# Altium PCB MB1605.PcbDoc (part 8 of 11)
Units mm, origin at the board's own origin, x right, y up, seen from the top; angles counter-clockwise.
Board outline 100 x 79.6 mm, 6 copper layers (Top Layer, Signal Layer 1, Signal Layer 2, Signal Layer 3, Signal Layer 4, Bottom Layer), stack 1.549 mm thick; 644 components, 529 nets, 2853 pads, 1462 vias.
Unrouted connection lines stored in the file: 2.
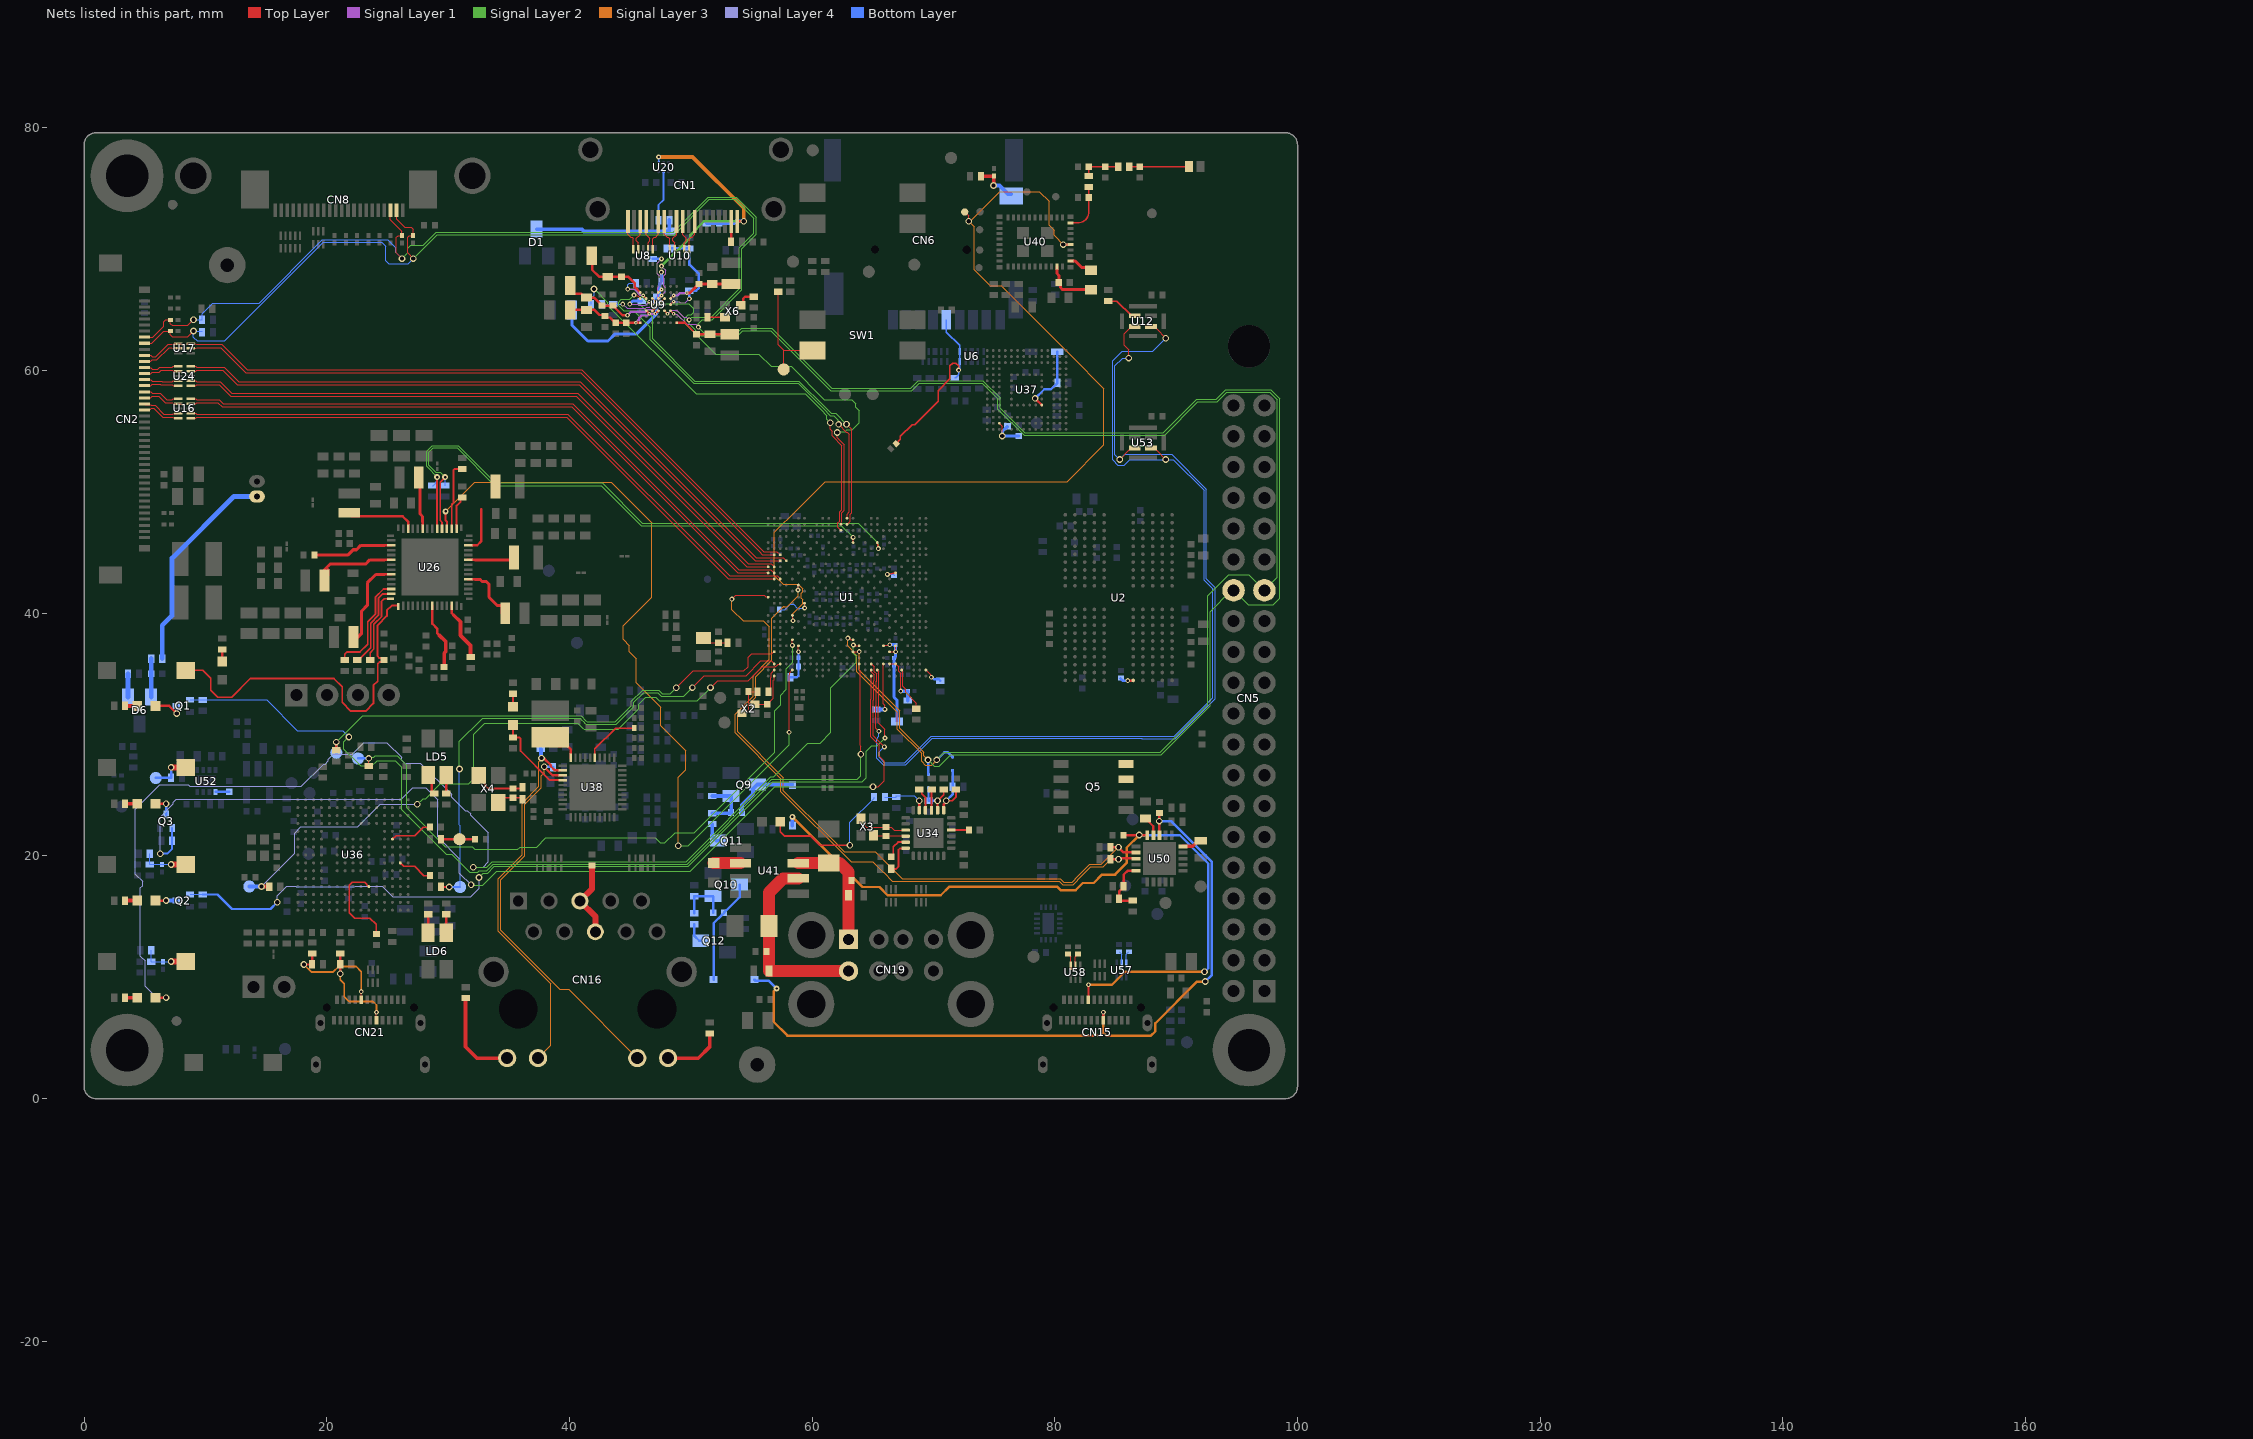
[diagram p12: the nets of this part, all layers, seen from the top]

## Via types
v1: diameter 0.55, hole 0.35, Top Layer to Bottom Layer, 823 vias
v2: diameter 0.4, hole 0.2, Top Layer to Bottom Layer, 235 vias
v3: diameter 0.4, hole 0.2, Top Layer to Bottom Layer, tented both sides, 216 vias
v4: diameter 0.5, hole 0.2, Top Layer to Bottom Layer, 159 vias
v5: diameter 0.25/0.3 (per signal layer), hole 0.1, Top Layer to Signal Layer 1, tented both sides, 29 vias

## Nets (pads, with @x,y where several pads share a name; then routed paths per layer and width w, separated by ;. In a path a pad name is that pad's centre, name@x,y a point inside that pad or via, vN(x,y) a via of type N, cw(c..) or ccw(c..) an arc to the next point about the centre after c; other vN are vias at no path point) (continued)
HDMI.RST: R24.1 U1.C13 | length 35.2
  Top Layer w0.09: U1.C13@62.375,46.825 62.125,47.075 62.125,47.458 62.265,47.598 62.265,48.345 62.45,48.53 62.45,48.575
  Top Layer w0.1: v1(61.5,55.7) 61.5,55.151 61.65,55.001 61.65,54.617 62.45,53.817 62.45,48.575
  Signal Layer 2 w0.1: v1(42.025,66.725) 43.156,65.594 43.156,65.361 50.442,58.075 59.442,58.075 60.716,56.802 61.225,56.292 61.225,55.975 v1(61.5,55.7)
  Bottom Layer w0.1: R24.1@41.784,65.471 41.784,65.978 42.025,66.219 v1(42.025,66.725)
HDMI_I2S2.CK: R16.2 U1.B13 U9.C2 | length 39.2
  Top Layer w0.09: U1.B13@62.375,47.325 62.4,47.35 62.4,47.478 62.445,47.523 62.445,48.271 62.65,48.476 62.65,48.575
  Top Layer w0.1: v1(62.075,54.9) 62.075,54.475 62.65,53.9 62.65,48.575
  Top Layer w0.13: v5(46.086,66.185) U9.C2@46.336,65.935
  Signal Layer 1 w0.13: v2(44.805,66.712) 45.341,66.712 45.846,66.208 46.063,66.208 v5(46.086,66.185)
  Signal Layer 2 w0.1: v2(44.805,66.712) 45.341,66.712 46.564,65.49 49.841,65.49 50.239,65.092 50.239,64.802 50.034,64.597 49.784,64.597 49.507,64.32 49.507,63.915 52.058,61.364 55.615,61.364 56.644,60.335 58.272,60.335 61.009,57.598 63.256,57.598 63.592,57.261 63.592,56.969 63.876,56.685 63.876,55.701 63.296,55.121 62.857,55.121 62.711,54.975 62.15,54.975 v1(62.075,54.9)
  Bottom Layer w0.1: v2(44.805,66.712) 44.805,67.073 44.912,67.181 R16.2@45.474,67.181
HDMI_I2S2.WS: R17.2 U1.B14 U9.D3 | length 34.8
  Top Layer w0.09: U1.B14@62.875,47.325 63.125,47.575 63.125,48.17 63.251,48.297 63.251,48.575
  Top Layer w0.1: v1(62.831,55.574) 63.25,55.155 63.25,48.576 63.251,48.575
  Top Layer w0.13: v5(46.586,65.685) U9.D3@46.836,65.435
  Signal Layer 1 w0.1: v2(44.974,65.479) 45.613,65.479 45.707,65.385 46.225,65.385 46.275,65.435 46.336,65.435 v5(46.586,65.685)
  Signal Layer 2 w0.1: v2(44.974,65.479) 45.776,65.479 46.859,64.396 46.859,62.623 50.342,59.139 58.916,59.139 61.096,56.959 61.592,56.463 61.942,56.463 v1(62.831,55.574)
  Bottom Layer w0.25: v2(44.974,65.479) 45.221,65.726 R17.2@45.942,65.726
HDMI_I2S2_SDO: U1.A14 U9.C1 | length 33.6
  Top Layer w0.09: U1.A14@62.875,47.825 62.875,48.175 63.05,48.35 63.05,48.575
  Top Layer w0.1: v2(45.32,66.217) 45.378,66.16 45.611,66.16 U9.C1@45.836,65.935 ; v1(62.181,55.565) 62.816,54.93 62.873,54.93 63.05,54.753 63.05,48.575
  Signal Layer 2 w0.1: v2(45.32,66.217) 44.964,65.861 44.283,65.861 44.046,65.624 44.046,65.334 44.47,64.91 45.312,64.91 46.659,63.563 46.659,62.54 50.259,58.939 58.847,58.939 60.906,56.88 61.514,56.273 61.782,56.273 62.135,55.92 62.135,55.611 v1(62.181,55.565)
HDMI_RX0_N: CN1.9 U10.4 | length 2.5
  Top Layer w0.09: U10.4@48.672,69.998 48.672,70.528 48.522,70.678 48.522,70.888 48.826,71.191 CN1.9@48.826,72.3
HDMI_RX0_P: CN1.7 U10.5 | length 2.6
  Top Layer w0.09: CN1.7@47.826,72.3 47.826,71.218 48.049,70.994 48.159,70.994 48.272,70.881 U10.5@48.272,69.998
HDMI_RX1_N: CN1.6 U8.1 | length 2.6
  Top Layer w0.09: U8.1@46.879,69.998 46.879,70.881 46.992,70.994 47.102,70.994 47.326,71.218 CN1.6@47.326,72.3
HDMI_RX1_P: CN1.4 U8.2 | length 2.5
  Top Layer w0.09: CN1.4@46.326,72.3 46.326,71.191 46.629,70.888 46.629,70.678 46.479,70.528 U8.2@46.479,69.998
HDMI_RX2_N: CN1.3 U8.4 | length 2.5
  Top Layer w0.09: U8.4@45.672,69.998 45.672,70.528 45.522,70.678 45.522,70.888 45.826,71.191 CN1.3@45.826,72.3
HDMI_RX2_P: CN1.1 U8.5 | length 2.6
  Top Layer w0.09: CN1.1@44.826,72.3 44.826,71.218 45.049,70.994 45.159,70.994 45.272,70.881 U8.5@45.272,69.998
HDMI_RXC_N: CN1.12 U10.1 | length 2.6
  Top Layer w0.09: U10.1@49.879,69.998 49.879,70.881 49.992,70.994 50.102,70.994 50.326,71.218 CN1.12@50.326,72.3
HDMI_RXC_P: CN1.10 U10.2 | length 2.5
  Top Layer w0.09: CN1.10@49.326,72.3 49.326,71.191 49.629,70.888 49.629,70.678 49.479,70.528 U10.2@49.479,69.998
HPD: C177.2 CN1.19 R15.1 U9.C4 U20.C3 | length 25.5
  Top Layer w0.13: U9.C4@47.336,65.935 v5(47.586,66.185)
  Top Layer w0.2: CN1.19@53.826,72.3 v1(54.356,72.3)
  Signal Layer 1 w0.1: v5(47.586,66.185) 47.886,66.485 47.886,66.876 47.786,66.976 47.786,67.811 47.951,67.976 47.951,68.247 v2(47.586,68.612)
  Signal Layer 2 w0.2: v2(47.586,68.612) 47.598,68.612 49.964,70.978 49.964,71.182 51.081,72.3 v1(54.356,72.3)
  Signal Layer 3 w0.3: v2(47.35,77.6) 50.145,77.6 54.356,73.389 v1(54.356,72.3)
  Bottom Layer w0.15: v2(47.35,77.6) 47.357,77.593 47.357,77.176 U20.C3@47.364,77.169
  Bottom Layer w0.3: R15.1@51.33,72.125 C177.2@52.35,72.125 53.548,72.125 53.723,72.3 v1(54.356,72.3)
HSE_IN: C90.2 U1.AG2 X2.1 | length 3.6
  Top Layer w0.1: X2.1@55.284,32.51 56.318,32.51 56.814,33.005 56.814,34.464 56.875,34.525 U1.AG2@56.875,34.825
HSE_OUT: R75.2 U1.AF2 | length 2
  Top Layer w0.09: 56.59,34.075 56.59,34.686 56.625,34.721 56.625,35.075 U1.AF2@56.875,35.325
  Top Layer w0.1: R75.2@56.409,33.546 56.59,33.727 56.59,34.075
I2C1.SCL: R224.1 U1.P1 U50.18 | length 58.1
  Top Layer w0.09: 55.625,41.494 56.038,41.494 56.182,41.35 56.35,41.35 U1.P1@56.375,41.325
  Top Layer w0.1: v2(53.389,41.17) 53.712,41.494 55.625,41.494
  Top Layer w0.2: R224.1@84.568,19.723 v1(85.243,19.723) 85.318,19.798 U50.18@86.688,19.798
  Signal Layer 3 w0.1: v2(53.389,41.17) 53.389,40.295 54.316,39.367 55.982,39.367 56.479,38.87 56.479,36.209 55.134,34.864 55.134,33.152 53.659,31.677 53.659,30.138 57.426,26.372 57.426,25.301 63.214,19.512 65.009,19.512 65.874,18.648 65.885,18.648 66.604,17.929 80.366,17.929 80.655,17.64 81.536,17.64 81.903,18.006 81.903,18.025 82.975,19.098 83.972,19.098 84.597,19.723 v1(85.243,19.723)
I2C1.SDA: R228.1 U1.M6 U50.17 | length 55
  Top Layer w0.09: v3(58.836,41.914) 58.855,41.934 58.855,42.305 U1.M6@58.875,42.325
  Top Layer w0.2: R228.1@84.568,20.723 v1(85.243,20.723) 85.668,20.298 U50.17@86.688,20.298
  Signal Layer 3 w0.1: v3(58.836,41.914) 58.836,41.429 57.964,40.556 57.674,40.556 57.664,40.566 57.651,40.566 56.669,39.583 56.669,36.114 55.334,34.779 55.334,33.069 53.859,31.594 53.859,30.221 57.626,26.454 57.626,25.384 61.522,21.487 62.647,20.362 65.2,20.362 67.433,18.129 80.449,18.129 80.738,17.84 81.454,17.84 81.703,18.089 81.703,18.108 82.892,19.298 83.818,19.298 v1(85.243,20.723)
I2C2.SCL: CN2.7 CN5.28 CN8.20 R32.1 SB1.1 U1.AC15 U9.E6 U13.1 U19.1 | length 202.5
  Top Layer w0.1: CN2.7@5,62.75 5.67,62.75 6.585,63.665 6.585,64.005 6.754,64.175 U13.1@7.117,64.175 7.117,63.859 7.259,63.717 8.554,63.717 v1(9.017,64.18) ; CN8.20@25.25,73.222 25.25,72.438 26.2,71.488 U19.1@26.2,71.126 25.884,71.126 25.742,70.984 25.742,69.688 v1(26.205,69.226) ; U1.AC15@63.375,36.825 63.381,36.831 63.873,36.831 v3(63.879,36.837)
  Top Layer w0.13: U9.E6@48.336,64.935 v5(48.586,64.685)
  Signal Layer 1 w0.1: v5(48.586,64.685) 48.615,64.656 48.855,64.656 49.705,63.807 50.393,63.807 v2(50.625,63.575)
  Signal Layer 2 w0.1: v1(26.205,69.226) 26.675,69.696 26.675,70.079 26.924,70.328 27.95,70.328 29.022,71.4 48.55,71.4 51.45,74.3 53.735,74.3 55.401,72.634 55.401,71.237 54.2,70.036 54.2,66.648 51.752,64.2 50.961,64.2 50.625,63.864 v2(50.625,63.575) 51.119,63.081 53.778,63.081 54.196,63.498 56.665,63.498 61.61,58.553 68.133,58.553 68.754,59.174 74.069,59.174 75.5,57.743 75.5,56.9 77.53,54.87 81.346,54.87 88.954,54.87 91.712,57.628 93.315,57.628 94.093,58.406 97.515,58.406 ; v1(69.555,27.917) 70.058,27.414 70.489,27.414 71.431,28.356 88.778,28.356 92.8,32.377 92.8,40.132 94.558,41.89 CN5.28@94.73,41.89 95.935,40.685 97.996,40.685 98.545,41.234 98.545,57.658 97.798,58.405 97.515,58.405
  Signal Layer 3 w0.1: v3(63.879,36.837) 63.879,35.312 67.225,31.966 67.225,30.523 69.214,28.534 69.214,28.258 v1(69.555,27.917)
  Bottom Layer w0.1: v1(9.017,64.18) 9.72,64.18 R32.1@9.725,64.175 9.725,64.669 10.615,65.559 14.435,65.559 19.641,70.765 25.04,70.765 25.7,70.105 25.7,69.73 v1(26.205,69.226)
  Bottom Layer w0.2: v1(69.555,27.917) 69.555,26.955 69.585,26.924 69.585,26.724 SB1.1@69.587,26.723
I2C2.SDA: CN2.8 CN5.27 CN8.21 R31.1 SB2.1 U1.AA15 U3.1 U9.E5 U39.1 | length 207.1
  Top Layer w0.09: v3(62.95,37.95) 63.009,37.891 63.118,37.891 63.184,37.825 U1.AA15@63.375,37.825
  Top Layer w0.1: CN2.8@5,62.25 5.585,62.25 6.585,63.25 7.117,63.25 7.117,62.934 7.259,62.792 8.554,62.792 v1(9.017,63.255) ; CN8.21@25.75,73.222 25.75,72.464 26.41,71.804 26.979,71.804 27.125,71.658 U39.1@27.125,71.126 26.809,71.126 26.667,70.984 26.667,69.688 v1(27.13,69.226)
  Top Layer w0.13: U9.E5@47.836,64.935 v5(48.086,64.685)
  Signal Layer 1 w0.1: v5(48.086,64.685) 48.386,64.985 48.84,64.985 49.423,64.402 49.63,64.402 v2(49.857,64.175)
  Signal Layer 2 w0.1: v1(27.13,69.226) 29.105,71.2 48.633,71.2 51.533,74.1 53.652,74.1 55.201,72.552 55.201,71.32 54,70.119 54,66.731 51.669,64.4 50.082,64.4 v2(49.857,64.175) 49.857,63.848 50.824,62.881 53.861,62.881 54.279,63.298 56.582,63.298 61.527,58.353 68.215,58.353 68.836,58.974 74,58.974 75.31,57.664 75.31,56.821 77.426,54.705 77.461,54.67 89.037,54.67 91.785,57.418 93.388,57.418 94.175,58.205 97.715,58.205 98.345,57.575 98.345,42.965 CN5.27@97.27,41.89 95.985,43.175 94.315,43.175 92.6,41.46 92.6,32.46 88.695,28.556 70.906,28.556 v1(70.267,27.917)
  Signal Layer 3 w0.1: v3(62.95,37.95) 62.95,37.32 63.3,36.97 63.3,36.895 63.689,36.506 63.689,35.198 67.025,31.862 67.025,30.44 69.014,28.451 69.014,27.785 69.307,27.492 69.842,27.492 v1(70.267,27.917)
  Bottom Layer w0.1: R31.1@9.725,63.25 9.72,63.255 v1(9.017,63.255) 9.017,62.763 9.33,62.45 11.609,62.45 19.724,70.565 24.535,70.565 24.85,70.25 24.85,69.054 25.104,68.801 26.705,68.801 v1(27.13,69.226)
  Bottom Layer w0.2: v1(70.267,27.917) 70.886,28.536 71.191,28.536 SB2.1@71.577,28.15
I2C7.SCL: R261.1 U1.E15 U26.33 | length 46.6
  Top Layer w0.1: U1.E15@63.375,45.825 v3(63.375,46.25)
  Top Layer w0.15: U26.33@29.5,46.97 29.5,47.5 29.35,47.65 29.35,50.812 v4(29.763,51.225)
  Signal Layer 2 w0.1: v4(29.763,51.225) 29.355,51.633 28.975,51.633 28.423,52.185 28.423,53.261 28.785,53.623 30.744,53.623 33.846,50.521 42.637,50.521 45.932,47.227 55.625,47.227 62.398,47.227 v3(63.375,46.25)
  Bottom Layer w0.1: R261.1@29.763,50.521 v4(29.763,51.225)
I2C7.SDA: R260.1 U1.E19 U26.34 | length 49.4
  Top Layer w0.125: U1.E19@65.375,45.825 v3(65.46,45.325)
  Top Layer w0.15: U26.34@29.1,46.97 v4(29.1,51.225)
  Signal Layer 2 w0.1: v4(29.1,51.225) 28.223,52.102 28.223,53.344 28.702,53.823 30.827,53.823 33.9,50.75 42.691,50.75 46.015,47.427 55.625,47.427 63.818,47.427 65.46,45.785 v3(65.46,45.325)
  Bottom Layer w0.1: R260.1@28.689,50.521 28.784,50.521 28.989,50.726 28.989,50.821 29.063,50.896 29.063,51.188 v4(29.1,51.225)
JTCK_SWCLK: R153.2 TP43.1 U1.AA5 | length 53.9
  Top Layer w0.09: v3(58.375,37.35) U1.AA5@58.375,37.825
  Top Layer w0.1: R153.2@23.465,27.407 v1(23.465,28.041)
  Signal Layer 2 w0.1: v1(23.465,28.041) 23.551,28.127 23.869,28.127 23.994,28.252 25.819,28.252 26.59,27.481 26.59,23.959 29.774,20.775 31.975,20.775 32.213,20.537 35.729,20.537 35.929,20.737 37.297,20.737 38.06,21.5 47.074,21.5 47.499,21.075 47.851,21.075 48.701,21.925 50.303,21.925 56.921,28.543 56.921,31.98 57.398,32.456 57.398,33.253 57.875,33.73 57.875,34.075 57.875,35.412 58.415,35.952 58.415,37.31 v3(58.375,37.35)
  Bottom Layer w0.2: TP43.1@22.575,28.041 v1(23.465,28.041)
JTDI: R207.2 TP41.1 U1.AE3 | length 56
  Top Layer w0.09: 55.625,35.353 55.847,35.575 56.979,35.575 57.125,35.721 57.125,35.736 57.188,35.798 57.348,35.798 U1.AE3@57.375,35.825
  Top Layer w0.1: v1(51.631,33.875) 52.214,34.458 54.73,34.458 55.625,35.353
  Top Layer w0.3: v1(14.62,17.482) R207.2@15.265,17.482
  Signal Layer 2 w0.1: v1(27.467,24.257) 27.935,24.725 28.141,24.725 29.366,25.95 31.684,25.95 32.1,26.367 32.1,30.039 33.007,30.945 40.706,30.945 41.106,30.545 41.201,30.45 43.878,30.45 44.032,30.45 45.714,32.133 45.714,32.503 46.273,33.061 47.118,33.061 47.407,32.772 50.528,32.772 v1(51.631,33.875)
  Signal Layer 4 w0.1: v1(14.62,17.482) 17.36,20.222 17.36,21.885 17.875,22.4 22.575,22.4 24.431,24.257 v1(27.467,24.257)
  Bottom Layer w0.3: TP41.1@13.625,17.482 v1(14.62,17.482)
JTDO_SWDO: R129.2 TP13.1 U1.AC2 | length 42
  Top Layer w0.09: 55.625,36.655 56.67,36.655 56.84,36.825 U1.AC2@56.875,36.825
  Top Layer w0.1: v1(48.806,33.855) 50.209,35.258 54.372,35.258 54.727,35.613 54.727,36.37 55.012,36.655 55.625,36.655
  Top Layer w0.2: R129.2@20.79,28.707 v1(20.79,29.382)
  Signal Layer 2 w0.1: v1(20.79,29.382) 22.953,31.545 40.955,31.545 41.355,31.145 41.449,31.05 43.629,31.05 43.783,31.05 45.114,32.381 45.114,32.751 46.024,33.661 47.367,33.661 47.656,33.372 48.323,33.372 v1(48.806,33.855)
  Bottom Layer w0.2: TP13.1@20.79,28.507 v1(20.79,29.382)
JTMS_SWDIO: R209.2 TP40.1 U1.AE2 | length 43.2
  Top Layer w0.09: 55.92,36.07 55.925,36.075 56.625,36.075 U1.AE2@56.875,35.825
  Top Layer w0.1: v1(50.134,33.875) 51.117,34.858 54.564,34.858 55.777,36.07 55.92,36.07
  Top Layer w0.2: R209.2@29.415,17.443 v1(30.09,17.443)
  Signal Layer 2 w0.1: v1(30.94,27.163) 30.94,29.444 32.721,31.225 32.841,31.345 40.872,31.345 40.992,31.225 41.167,31.05 41.272,30.945 41.367,30.85 43.712,30.85 43.866,30.85 45.314,32.299 45.314,32.668 46.107,33.461 47.284,33.461 47.573,33.172 49.431,33.172 v1(50.134,33.875)
  Bottom Layer w0.1: v1(30.94,27.163) 30.94,22.586 30.985,22.541 TP40.1@30.985,17.443
  Bottom Layer w0.2: v1(30.09,17.443) TP40.1@30.985,17.443
LED1: LD7.2 U1.AB16 | length 99.6
  Top Layer w0.1: v3(63.4,37.387) 63.481,37.387 63.544,37.325 U1.AB16@63.875,37.325
  Top Layer w0.2: LD7.2@5.886,8.327 v1(6.763,8.327)
  Signal Layer 2 w0.1: v1(32.075,19.075) 33.195,19.075 33.657,19.537 49.612,19.537 56.587,26.512 56.834,26.512 59.622,29.3 60.659,29.3 61.55,30.191 61.55,33.847 63.655,35.952 63.655,36.465 63.4,36.72 v3(63.4,37.387)
  Signal Layer 4 w0.1: v1(6.763,8.327) 5.999,8.327 5.05,9.276 5.05,11.353 4.65,11.753 4.65,17.367 4.831,17.549 4.831,17.901 4.225,18.507 4.225,23.845 6.253,25.873 8.589,25.873 8.71,25.752 17.91,25.752 19.735,27.577 19.866,27.577 20.115,27.826 20.115,27.957 20.538,28.38 22.096,28.38 23.066,29.35 24.933,29.35 26.165,28.118 26.165,27.906 26.414,27.657 27.713,27.657 30.3,25.07 30.3,24.849 31.411,23.738 31.588,23.738 31.85,23.476 31.85,23.374 33.325,21.899 33.325,19.511 32.889,19.075 v1(32.075,19.075)
LED2: Q3.1 R137.2 U1.AG18 | length 85.1
  Top Layer w0.1: U1.AG18@64.875,34.825 64.875,32.955 64.849,32.929 64.849,29.81 65.531,29.128 65.531,28.224 65.956,27.799 65.956,26.206 65.462,25.712 v1(65.01,25.712)
  Signal Layer 2 w0.1: v1(31.898,17.622) 31.92,17.6 32.853,17.6 33.991,18.737 49.944,18.737 56.919,25.712 v1(65.01,25.712)
  Signal Layer 4 w0.1: v1(6.28,20.191) 6.28,23.21 7.366,24.296 7.366,24.433 7.615,24.682 26.145,24.682 27.075,25.612 28.143,25.612 29.135,24.62 29.135,21.584 30.939,19.78 30.939,18.581 v1(31.898,17.622)
  Bottom Layer w0.15: v1(6.28,20.191) 6.856,20.191 7.263,20.597 R137.2@7.263,21.252 Q3.1@7.263,22.302
LED3: Q2.1 R141.2 U1.AF19 | length 72.4
  Top Layer w0.09: U1.AF19@65.375,35.325 65.375,35.29 65.485,35.18 65.485,34.08 65.48,34.075
  Top Layer w0.091: 65.475,33.994 65.475,34.001 65.48,34.006 65.48,34.075
  Top Layer w0.1: 65.475,33.994 65.475,32.327 65.449,32.301 65.449,30.993 66.003,30.439 v2(66.003,29.72)
  Signal Layer 2 w0.1: v1(32.55,18.225) 32.917,18.592 33.28,18.592 33.825,19.137 49.778,19.137 56.753,26.112 64.125,26.112 64.442,26.429 64.442,28.617 64.901,29.076 65.359,29.076 v2(66.003,29.72)
  Signal Layer 4 w0.1: v1(15.925,16.182) 15.925,16.727 16.705,17.507 17.435,17.507 17.499,17.443 22.281,17.443 22.345,17.507 24.585,17.507 25.447,16.645 31.874,16.645 32.55,17.321 v1(32.55,18.225)
  Bottom Layer w0.1: Q2.1@8.736,16.827 R141.2@9.786,16.827
  Bottom Layer w0.2: R141.2@9.786,16.827 11.004,16.827 12.204,15.627 15.37,15.627 v1(15.925,16.182)
LED4: Q1.1 R143.2 U1.AE16 | length 77.3
  Top Layer w0.09: U1.AE16@63.875,35.825 63.875,35.334 63.945,35.264 63.945,34.647 63.949,34.643 63.949,34.075
  Top Layer w0.1: 63.949,34.075 63.949,30.385 63.945,30.382 63.945,29.105 64.017,29.033 v1(64.017,28.387)
  Signal Layer 2 w0.1: v1(21.828,29.807) 21.415,29.394 21.415,28.806 22.805,27.416 23.724,27.416 24.158,27.85 25.633,27.85 26.187,27.296 26.187,23.797 29.846,20.137 30.315,20.137 31.803,18.65 32.428,18.65 32.57,18.792 33.195,18.792 33.74,19.337 49.695,19.337 56.67,26.312 63.725,26.312 64.017,26.604 v1(64.017,28.387)
  Bottom Layer w0.1: Q1.1@8.736,32.861 R143.2@9.786,32.861 15.049,32.861 17.585,30.325 21.31,30.325 v1(21.828,29.807)
LPO_32: TP17.1 U1.U5 U40.37 | length 77.1
  Top Layer w0.1: U1.U5@58.375,39.825 v3(58.421,39.379) ; TP17.1@72.573,73.072 72.905,72.739 v1(72.905,72.3)
  Top Layer w0.2: v1(80.7,70.38) 80.702,70.378 81.298,70.378 U40.37@81.3,70.375
  Signal Layer 3 w0.1: v3(58.421,39.379) 58.421,39.977 59.208,40.764 59.208,41.154 59.107,41.255 59.107,41.631 59.228,41.753 59.228,42.017 58.865,42.38 57.608,42.38 56.879,43.109 56.879,46.656 58.797,48.575 61.072,50.85 81.03,50.85 84.05,53.87 84.05,58.516 81.346,61.219 80.457,62.109 75.591,66.975 74.696,66.975 73.35,68.321 73.35,71.855 v1(72.905,72.3) 73.026,72.3 75.476,74.75 78.717,74.75 79.525,73.942 79.525,71.975 79.95,71.55 79.95,71.13 v1(80.7,70.38)
LVDS1.CLK_N: U1.K2 U16.10 | length 54
  Top Layer w0.09: U16.10@8.802,57.675 9.197,57.675 9.272,57.6 11.128,57.6 11.478,57.25 40.279,57.25 53.954,43.575 56.604,43.575 56.854,43.325 U1.K2@56.875,43.325
LVDS1.CLK_P: U1.K1 U16.9 | length 53.4
  Top Layer w0.09: U16.9@8.802,57.275 9.197,57.275 9.272,57.35 9.775,57.35 10.9,57.35 11.024,57.35 11.374,57 40.175,57 53.85,43.325 U1.K1@56.375,43.325
LVDS1.CLKcon_N: CN2.16 U16.1 | length 3.1
  Top Layer w0.09: CN2.16@5,58.25 5.495,58.25 5.62,58.125 6.273,58.125 6.798,57.6 7.282,57.6 7.357,57.675 U16.1@7.752,57.675
LVDS1.CLKcon_P: CN2.17 U16.2 | length 3.1
  Top Layer w0.09: CN2.17@5,57.75 5.495,57.75 5.62,57.875 6.17,57.875 6.695,57.35 7.282,57.35 7.357,57.275 U16.2@7.752,57.275
LVDS1.D0_N: U1.G3 U17.6 | length 55.8
  Top Layer w0.09: U17.6@8.802,62.225 9.197,62.225 9.272,62.15 11.351,62.15 13.451,60.05 41.029,60.05 55.625,45.454 56.004,45.075 57.104,45.075 57.354,44.825 U1.G3@57.375,44.825
LVDS1.D0_P: U1.G2 U17.5 | length 55.2
  Top Layer w0.09: U17.5@8.802,61.825 9.197,61.825 9.272,61.9 9.6,61.9 10.925,61.9 11.247,61.9 13.347,59.8 40.925,59.8 55.625,45.1 55.9,44.825 U1.G2@56.875,44.825
LVDS1.D0con_N: CN2.10 U17.1 | length 3.3
  Top Layer w0.09: CN2.10@5,61.25 5.495,61.25 5.62,61.125 5.904,61.125 6.929,62.15 7.282,62.15 7.357,62.225 U17.1@7.752,62.225
LVDS1.D0con_P: CN2.11 U17.2 | length 3.3
  Top Layer w0.09: CN2.11@5,60.75 5.495,60.75 5.62,60.875 6.008,60.875 7.033,61.9 7.282,61.9 7.357,61.825 U17.2@7.752,61.825
LVDS1.D1_N: U1.H4 U24.10 | length 55.7
  Top Layer w0.09: U24.10@8.802,60.35 9.197,60.35 9.272,60.275 11.541,60.275 12.741,59.075 40.904,59.075 55.404,44.575 56.359,44.575 57.625,44.575 U1.H4@57.875,44.325
LVDS1.D1_P: U1.H3 U24.9 | length 55.1
  Top Layer w0.09: U24.9@8.802,59.95 9.197,59.95 9.272,60.025 10.1,60.025 11.2,60.025 11.437,60.025 12.637,58.825 40.8,58.825 55.3,44.325 56.463,44.325 U1.H3@57.375,44.325
LVDS1.D1con_N: CN2.12 U24.1 | length 2.9
  Top Layer w0.09: CN2.12@5,60.25 5.495,60.25 5.62,60.125 6.095,60.125 6.245,60.275 7.282,60.275 7.357,60.35 U24.1@7.752,60.35